# Altium PCB MotorDrive.PcbDoc
Units mil, origin at the board's own origin, x right, y up, seen from the top; angles counter-clockwise.
Board outline 3560.03 x 2932.53 mil, 2 copper layers (Top Layer, Bottom Layer); 45 components, 29 nets, 134 pads, 54 vias.
Unrouted connection lines stored in the file: 1.
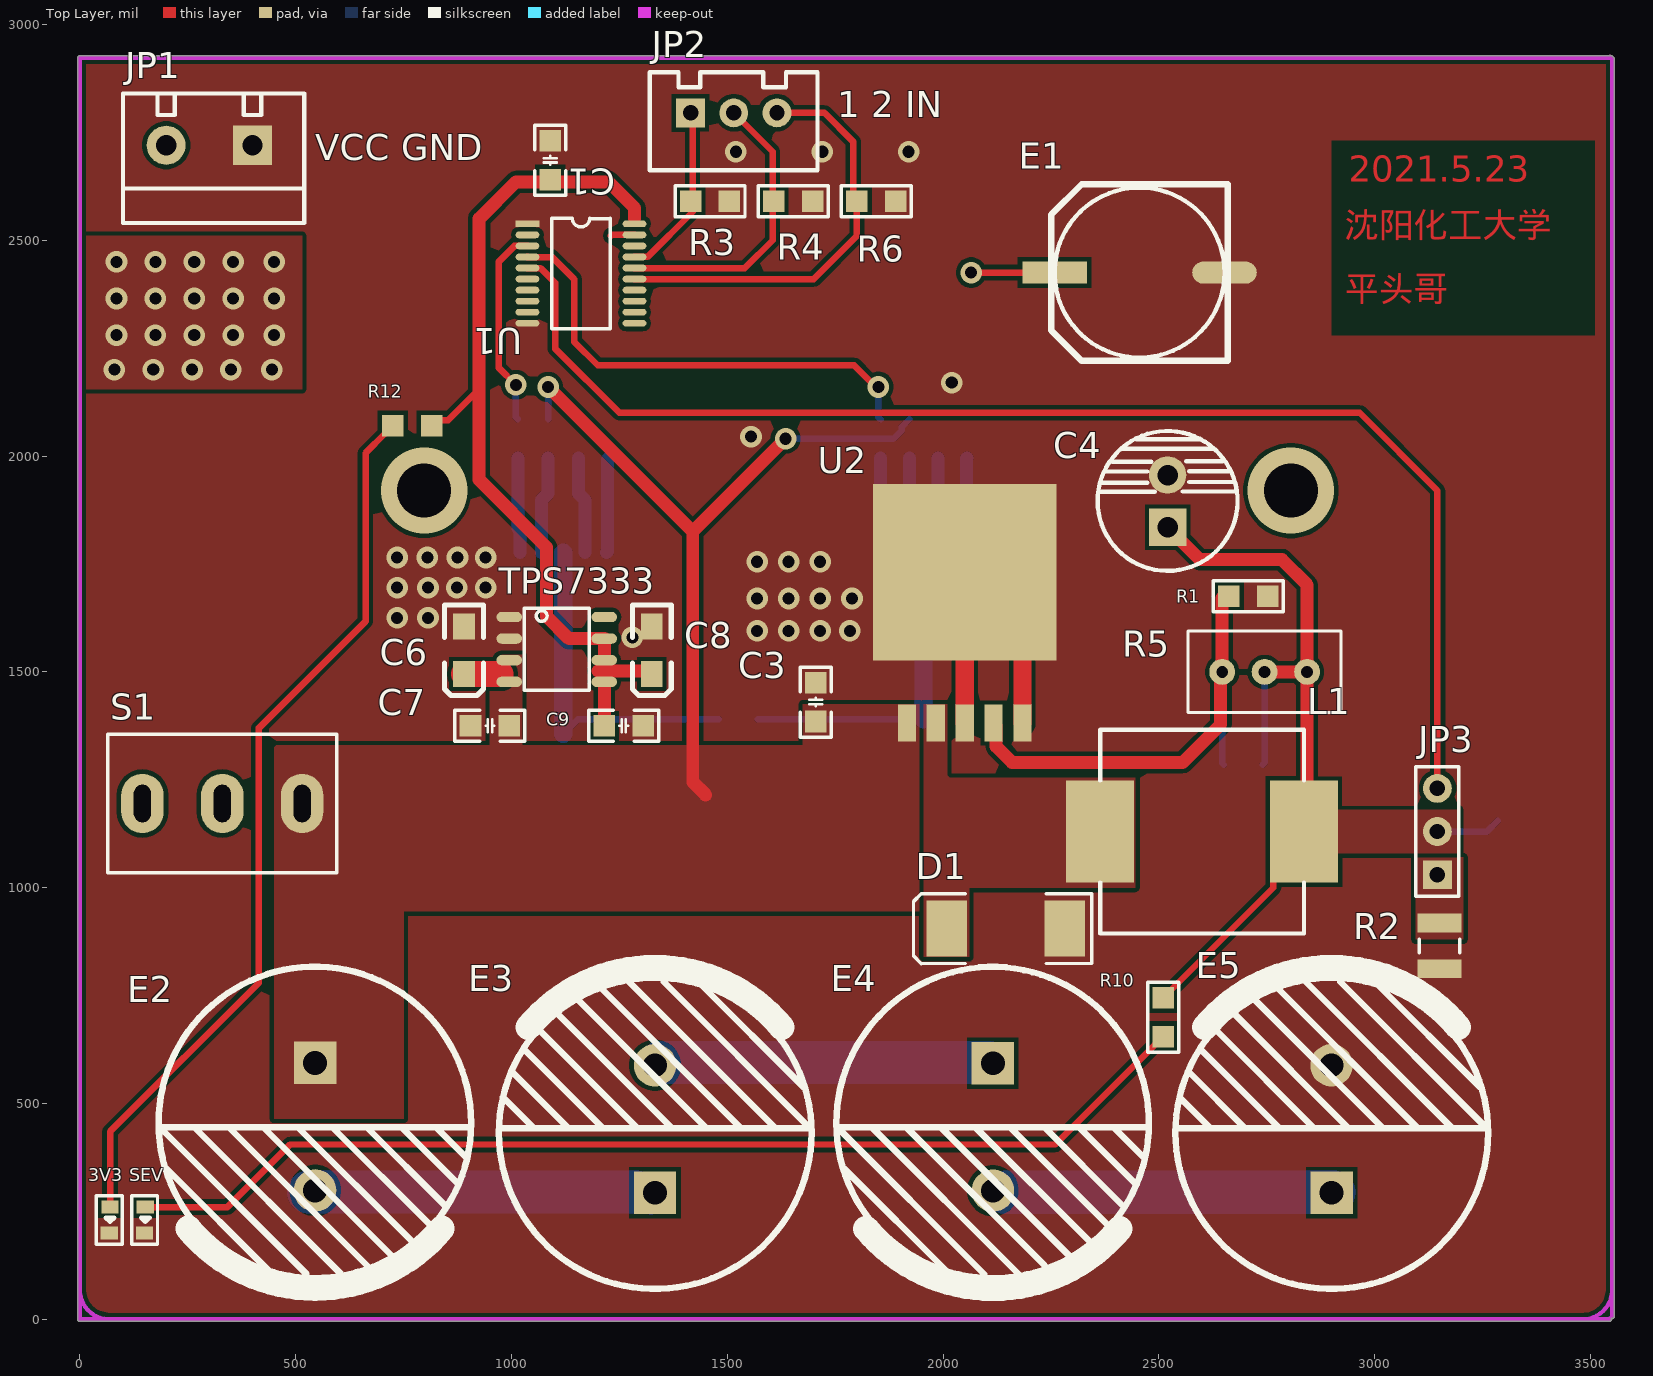
[diagram p0: Top Layer view]
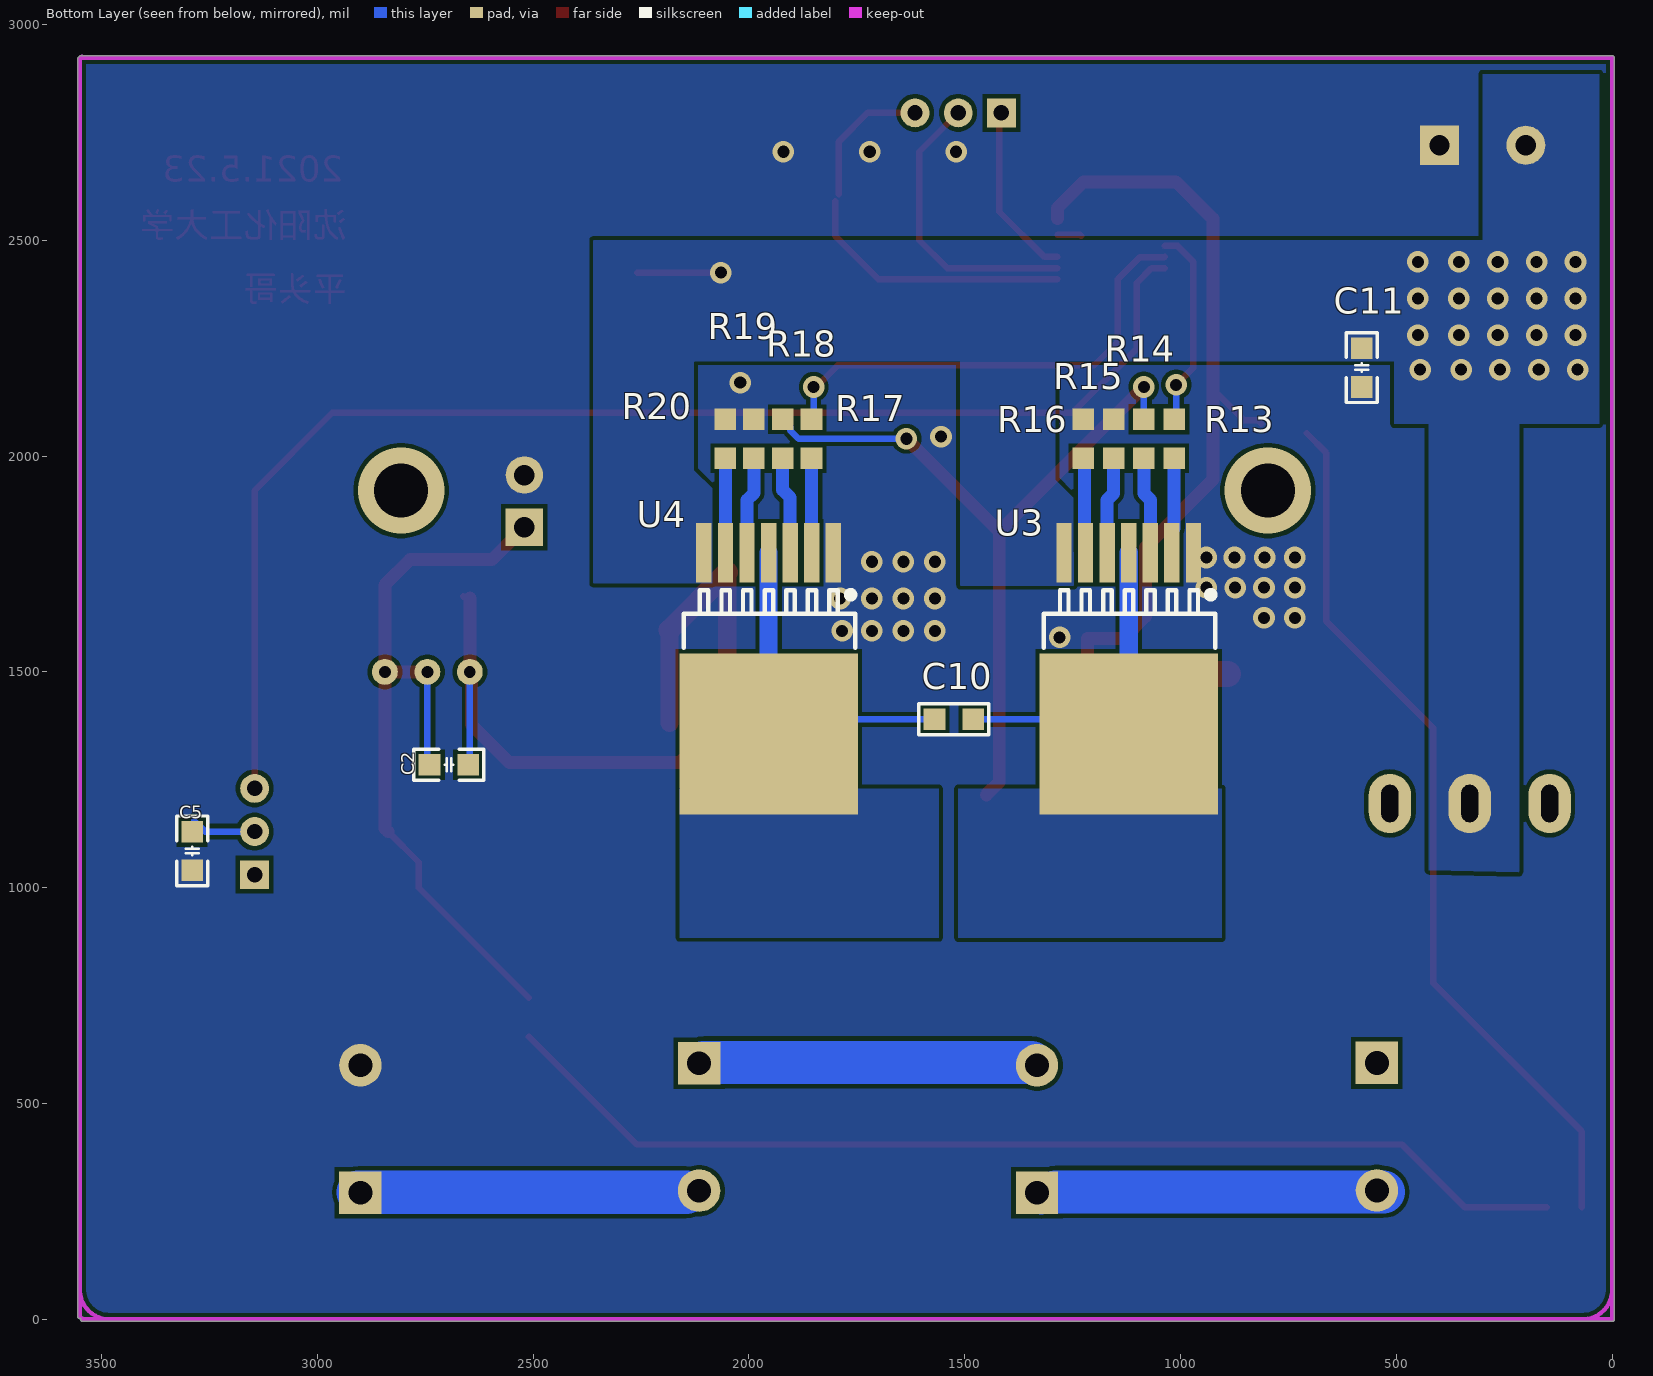
[diagram p1: Bottom Layer view, seen from below]

## Layer stack, top to bottom
Top Solder: solder mask 0.4, Solder Resist, Dk 3.5
Top Layer: signal copper 1.4
Dielectric 1: dielectric 12.6, FR-4, Dk 4.8
Bottom Layer: signal copper 1.4
Bottom Solder: solder mask 0.4, Solder Resist, Dk 3.5

## Board outline
0,-5.01 cw(c0,0) -5.01,0 -5.01,2922.5 cw(c0,2922.5) 0,2927.51 3547.5,2927.51 cw(c3547.5,2922.5) 3552.07,2924.57 cw(c3550,2920) 3555.01,2920 3555.01,6.69 cw(c3550,6.69) 3547.83,2.17 cw(c3543.31,0) 3548.32,0 cw(c3543.31,0) 3543.31,-5.01

## Design rules (kind name [scope] priority, off if disabled: settings)
Clearance [All] p1: gap=10 ignorepadtopadclearanceinfootprint=TRUE
Height [All] p1: minheight=0 maxheight=10000 prefheight=500
HoleSize [All] p1: absolutevalues=TRUE maxlimit=10000 minlimit=1 maxpercent=80.000 minpercent=20.000
MinimumSolderMaskSliver [All] p1: minsoldermaskwidth=1
PolygonConnect [All] p1: connectstyle=Relief reliefconductorwidth=10 reliefentries=4 polygonreliefangle="90 Angle" airgapwidth=10
RoutingVias [All] p1: holewidth=28 width=50 viastyle="Through Hole" minholewidth=28 minwidth=50 maxholewidth=28 maxwidth=50
SolderMaskExpansion [All] p1: expansion=4 istentingtop=FALSE
UnpouredPolygon [All] p1: allowunpoured=TRUE
Width [All] p1: maxlimit=1000 minlimit=15 preferedwidth=15 bottomlayer_maxwidth=100 minimp=50.000000 maximp=50.000000 favimp=50.000000
26 further rules are at their usual default settings.

## Components (designator, comment, footprint, x,y, rotation, side; value= is the part's Value field where it differs from the comment)
3V3 "LED0" 0603_LED 69.98,260.5 r270 top (schematic designator LED2)
C1 "100nf" "C 0805_M" 1090,2685 r270 top
C2 "电容" "C 0805_M" 2695,1285 r0 bottom value=104
C3 "电容" "C 0805_M" 1705,1430 r270 top value=104
C4 "Cap Pol1" 220UF 2520,1956 r270 top value=220uf
C5 "" "C 0805_M" 3290,1085 r90 bottom value=104
C6 "10uf" 3216 890,1550 r270 top value=10uF
C7 "104" "C 0805_M" 950,1375 r0 top
C8 "22uf" 3216 1325,1550 r270 top value=22uF
C9 "104" "C 0805_M" 1260,1375 r180 top
C10 "100nf" "R 0805_M" 1525,1390 r180 bottom
C11 "100nf" "C 0805_M" 580,2205 r90 bottom
D1 "SS34" SMC 2145,905 r180 top
E1 "1000uF/16V" "CM F(10*10.2)" 2455,2425 r180 top
E2 "10uF/6.3V" "CAP 7.5*18*35.5 - GD" 545,445 r270 top
E3 "10uF/6.3V" "CAP 7.5*18*35.5 - GD" 1332.48,442.1 r90 top
E4 "10uF/6.3V" "CAP 7.5*18*35.5 - GD" 2115.24,444.46 r270 top
E5 "10uF/6.3V" "CAP 7.5*18*35.5 - GD" 2900,442.1 r90 top
JP1 "POWER IN" KF301-5.0-2P 200,2720 r180 top
JP2 "PWM IN" XH2.54-LI-3P 1515,2795 r0 top
JP3 "SEVRO OUT" HDR2.54-LI-3P 3145,1130 r90 top
L1 "Inductor" 331 2600,1130 r0 top value=100uH
R1 "Res1" "R 0805_M" 2707.18,1675 r180 top value=1K
R2 "0" 14-1210 3150,865 r270 top
R3 "10K" "R 0805_M" 1460,2590 r0 top
R4 "10K" "R 0805_M" 1652.5,2590 r0 top
R5 "RPot" 3269W_滑动变阻器 2745,1500 r0 top value=1K
R6 "10K" "R 0805_M" 1845,2590 r0 top
R10 "RES" "R 0805_M" 2510,700 r90 top value=1K
R12 "1K" "R 0805_M" 770,2070 r0 top
R13 "10K" "R 0805_M" 1015,2040 r90 bottom
R14 "10K" "R 0805_M" 1085,2040 r90 bottom
R15 "1K" "R 0805_M" 1155,2040 r270 bottom
R16 "1K" "R 0805_M" 1225,2040 r270 bottom
R17 "10K" "R 0805_M" 1855,2040 r90 bottom
R18 "10K" "R 0805_M" 1921.67,2040 r90 bottom
R19 "1K" "R 0805_M" 1988.33,2040 r270 bottom
R20 "1K" "R 0805_M" 2055,2040 r270 bottom
S1 "POWER SWICH" MTS-10x 330,1195 r0 top
SEV "LED0" 0603_LED 151.59,260.5 r270 top (schematic designator LED1)
TPS7333 "TPS7333" SO8NB 1105,1552 r270 top
U1 "74lvc245" "74lvc245 TSSOP" 1036.97,2537.95 r0 top
U2 "LM2596" lm2587 2050,1556.13 r0 top
U3 "BTN7971B" TO-263-7_L10.2-W10.4-P1.27-LS14.4-B 1120,1566.01 r90 bottom
U4 "BTN7971B" TO-263-7_L10.2-W10.4-P1.27-LS14.4-B 1954.28,1566.01 r90 bottom

## Footprints (in the part's own frame and the unit in brackets; to place one, negate y for a bottom-side part, rotate by r counter-clockwise, add the part's x,y. Pads: shape width x height; smd on the part's side, far side on the other; paste and mask are expansions set on the pad)
14-1210 [mm]
  rect 1.1x2.6 smd: 1(-1.35,0) 2(1.35,0)
  silkscreen extent -0.4,-1.2 0.4,1.2, body extent -1.68,-1.32 1.68,1.32, height 0.9
"74lvc245 TSSOP" [mm]
  rect 1.4x0.4 smd: 1(0,0)
  oval 1.4x0.4 smd: 2(0,-0.65) 3(0,-1.3) 4(0,-1.95) 5(0,-2.6) 6(0,-3.25) 7(0,-3.9) 8(0,-4.55) 9(0,-5.2) 10(0,-5.85) 11(6.3,-5.85) 12(6.3,-5.2) 13(6.3,-4.55) 14(6.3,-3.9) 15(6.3,-3.25) 16(6.3,-2.6) 17(6.3,-1.95) 18(6.3,-1.3) 19(6.3,-0.65) 20(6.3,0)
  silkscreen extent 1.43,-6.17 4.87,0.33
220UF [mm]
  rect 2.2x2.2 hole 1.205: 1(3.073,0)
  round 2.2 hole 1.205: 2(0,0)
  silkscreen extent -2.59,-4.12 5.64,4.12
331 [mm]
  rect 4x6 smd: 1(-6,0) 2(6,0)
  silkscreen extent -6,-6 6,6, body extent -5.99,-5.99 5.99,6.15, height 2
0603_LED [mil]
  rect 30x40 smd: 1(0.5,0) 2(60.5,-1.59)
  silkscreen extent -26,-32 87,28
3216 [mil]
  rect 60x50 smd: 1(55,0) 2(-55,0)
  silkscreen extent -105,-45 105,45, body extent -63,-31 63,31, height 63
3269W_滑动变阻器 [mil]
  round 60 hole 27.56: 1(98.43,0) 2(-98.43,0) 3(0,0)
  silkscreen extent -177,-94 177,94, body extent -173,-86 165,82, height 315
"C 0805_M" [mil] "无极性贴片电容"
  rect 50x50 smd: 1(-45,0) 2(45,0)
  silkscreen extent -81,-36 81,36, body extent -39,-24 39,24, height 20
"CAP 7.5*18*35.5 - GD" [mm] "脚距7.5mm直径18mm高度35.5mm"
  rect 2.5x2.5 hole 1.4: 1(-3.78,0)
  round 2.5 hole 1.4: 2(3.72,0)
  silkscreen extent -9.44,-9.21 9.45,9.19, body extent -8.99,-8.99 9.02,9, height 35.56
"CM F(10*10.2)" [mm] "贴片电解电容，直径10mm，高10.2mm"
  rect 3.8x1.3 smd: 1(5,0)
  oval 3.8x1.3 smd: 2(-5,0)
  silkscreen extent -5.2,-5.2 5.2,5.2, body extent -5.8,-5.15 5.8,5.15, height 10.2
HDR2.54-LI-3P [mm] "排针，3脚"
  rect 1.7x1.7 hole 0.9: 1(-2.54,0)
  round 1.7 hole 0.9: 2(0,0) 3(2.54,0)
  silkscreen extent -3.81,-1.27 3.81,1.27, body extent -3.81,-1.27 3.81,1.27, height 8.5
KF301-5.0-2P [mm] "可拼接端子/6A"
  rect 2.3x2.3 hole 1.2: 1(-5.08,0)
  round 2.3 hole 1.2: 2(0,0)
  silkscreen extent -8.13,-3.05 2.54,4.57, body extent -7.95,-3 2.55,4.6, height 10.05
lm2587 [mm]
  rect 1.07x2.16 smd: 1(-3.4,-4.435) 2(-1.7,-4.435) 3(0,-4.435) 4(1.7,-4.435) 5(3.4,-4.435)
  rect 10.8x10.41 smd: 3(0,4.435)
  body extent -5.21,-2.01 5.23,8.53, height 2
MTS-10x [mm] "MTS10系列3脚扭子开关"
  oval 2.5x3.5 hole 1 slot 2.2 at 90 deg: 1(-4.7,0) 2(0,0) 3(4.7,0)
  silkscreen extent -6.73,-4.06 6.73,4.06, body extent -6.6,-3.95 6.6,3.95, height 30.47
"R 0805_M" [mil] "1/8W贴片电阻"
  rect 50x50 smd: 1(-45,0) 2(45,0)
  silkscreen extent -81,-36 81,36, body extent -39,-25 39,25, height 20
SMC [mm] "DO-214-AB/SMC; 2 C-Bend Leads; Body 7.9 x 5.9 mm, inc. leads (LxW)"
  rect 2.4x3.3 smd: 1(-3.475,0) 2(3.475,0)
  silkscreen extent -5.07,-2.05 5.43,2.05
SO8NB [mil]
  oval 24x59.06 smd: 1(-75,-110) 2(-25,-110) 3(25,-110) 4(75,-110) 5(75,110) 6(25,110) 7(-25,110) 8(-75,110)
  silkscreen extent -95,-75 95,75, body extent -97,-118 96,118, height 61
TO-263-7_L10.2-W10.4-P1.27-LS14.4-B [mil]
  rect 137.8x35.43 smd: 1(210,-150) 2(210,-100) 3(210,-50) 4(210,0) 5(210,50) 6(210,100) 7(210,150)
  rect 374.02x413.38 smd: 8(-210,0)
  silkscreen extent -10,-201 123,197, body extent -340,-210 115,210, height 55
XH2.54-LI-3P [mm] "接插件，3P"
  rect 1.7x1.7 hole 0.9: 1(-2.54,0)
  round 1.7 hole 0.9: 2(0,0) 3(2.54,0)
  silkscreen extent -4.95,-3.38 4.93,2.39, body extent -5.04,-3.3 5.04,2.4, height 7.03

## Part data
3V3 SEV: "Typical INFRARED GaAs LED", LatestRevisionDate=08-Jul-2005, LatestRevisionNote="Mech Layer 1 removed.", PackageReference=LED-0, Published=8-Jun-2000, Publisher="Altium Limited"
C1 C7 C9 C10 C11: library part C, "无极性贴片电容", BOM名称=无极性贴片电容, 学习资源=www.ooocke.com, 版权归属=源创客
C2 C3: "Capacitor", LatestRevisionDate=17-Jul-2002, LatestRevisionNote="Re-released for DXP Platform.", PackageDescription="Radial Cap, Thru-Hole; 2 Leads; 0.3 in Pin Spacing", PackageReference=RAD-0.3, Published=8-Jun-2000, Publisher="Altium Limited"
C4: "Polarized Capacitor (Radial)", LatestRevisionDate=17-Jul-2002, LatestRevisionNote="Re-released for DXP Platform.", PackageReference=RB7.6-15, Published=8-Jun-2000, Publisher="Altium Limited"
C5: library part 电容, "Capacitor", LatestRevisionDate=17-Jul-2002, LatestRevisionNote="Re-released for DXP Platform.", PackageDescription="Radial Cap, Thru-Hole; 2 Leads; 0.3 in Pin Spacing", PackageReference=RAD-0.3, Published=8-Jun-2000, Publisher="Altium Limited"
C6 C8: library part "Cap Pol1", "Polarized Capacitor (Radial)", LatestRevisionDate=17-Jul-2002, LatestRevisionNote="Re-released for DXP Platform.", PackageDescription="Polarized Capacitor (Radial); 2 Leads", PackageReference=RB7.6-15, Published=8-Jun-2000, Publisher="Altium Limited"
D1: library part "Diode 1N4148", "High Conductance Fast Diode", Code_JEDEC=DO-204-AH, ComponentLink1Description="Manufacturer Link", ComponentLink1URL=http://www.fairchildsemi.com/, ComponentLink2Description=Datasheet, ComponentLink2URL=http://www.fairchildsemi.com/ds/1N%2F1N4148.pdf, DatasheetVersion=1997, LatestRevisionDate=17-Jul-2002, LatestRevisionNote="Re-released for DXP Platform.", PackageReference=DO-35, Published=8-Jun-2000, Publisher="Altium Limited"
E1: library part C-CM, "贴片电解电容", BOM名称=贴片电解电容, 学习资源=www.ooocke.com, 版权归属=源创客
E2 E3 E4 E5: library part C-CS, "直插固态电容", BOM名称=直插固态电容, 学习资源=www.ooocke.com, 版权归属=源创客
JP1: library part "Header 2", "2P接插件", BOM名称=2P接插件, 学习资源=www.ooocke.com, 版权归属=源创客
JP2: library part Component_1
R1: "Resistor", LatestRevisionDate=17-Jul-2002, LatestRevisionNote="Re-released for DXP Platform.", PackageReference=AXIAL-0.3, Published=8-Jun-2000, Publisher="Altium Limited"
R2: library part RES_MD_2
R3 R4 R6: library part R_2, "贴片电阻", BOM名称=贴片电阻, 学习资源=www.ooocke.com, 版权归属=源创客
R5: "Potentiometer", LatestRevisionDate=17-Jul-2002, LatestRevisionNote="Re-released for DXP Platform.", PackageReference=VR5, Published=8-Jun-2000, Publisher="Altium Limited", Set Position=0.5, Sim Note="Enter the Resistance value and the set point into parameter fields."
R10: library part 电阻
R12 R13 R14 R15 R16 R17 R18 R19 R20: library part R, "贴片电阻", BOM名称=贴片电阻, 学习资源=www.ooocke.com, 版权归属=源创客
S1: library part SWICH
TPS7333: library part TPS7350
U1: "8位5伏转3.3伏电平转换芯片"
L1: Code_IEC=1005, Code_JEITA=0402, LatestRevisionDate=29-May-2009, LatestRevisionNote="IPC-7351 Footprint Added.", PackageDescription="Chip Inductor", PackageReference=0402-A, Published=8-Jun-2000, Publisher="Altium Limited"

## Via types
v1: diameter 50, hole 28, Top Layer to Bottom Layer, 52 vias
v2: diameter 200, hole 125, Top Layer to Bottom Layer, 2 vias

## Nets (pads, with @x,y where several pads share a name; then routed paths per layer and width w, separated by ;. In a path a pad name is that pad's centre, name@x,y a point inside that pad or via, vN(x,y) a via of type N, cw(c..) or ccw(c..) an arc to the next point about the centre after c; other vN are vias at no path point)
3V3: C1.2 C8.1 C9.2 R12.2 TPS7333.5 TPS7333.6 TPS7333.7 U1.20 | length 2041.5
  Top Layer w15: R12.2@812.81,2075 821.22,2083.41 853.41,2083.41 925,2155
  Top Layer w30: 1200,1502 1215,1502 ; C9.2 TPS7333.5 1215,1502 ; 1285,2550 1285,2575 1225,2635 1090,2635 1010,2635 925,2550 925,2155 925,1945 1081.33,1788.67 1081.33,1628.67 1133,1577 TPS7333.7 TPS7333.6 1215,1502 ; C8.1@1308,1502 1215,1502
GND: 3V3.2 C1.1 C3.1 C4.2 C5.1 C6.2 C7.1 C8.2 C9.1 C11.1 D1.1 E1.2 E5.2 JP1.1 R1.1 R2.2 R3.2 R4.2 R6.2 R15.1 R16.1 R19.1 R20.1 SEV.2 TPS7333.1 TPS7333.2 U1.1 U1.10 U1.19 U2.3 U2.5 U3.1 U4.1 | length 809.8
  Top Layer w15: 1230,2510 1232.36,2512.36 U1.19
  Top Layer w42: U2.3@2050,1381.52 U2.3@2050,1730.73 ; U2.5 U2.3@2183.86,1596.87
  Top Layer w50: U2.3@2050,1730.73 U2.3@2183.86,1596.87
  other v1: 1280,1580 1569.1,1595 1642.05,1595 1715,1595 1784.1,1595 735,1625 806.67,1625 1569.1,1670 1642.05,1670 1715,1670 1788.85,1670 735,1695 806.67,1695 873.33,1695 940,1695 1569.1,1755 1642.05,1755 1715,1755 735,1765 805,1765 875,1765 940,1765 1555,2045 2020,2170 1520,2705 1720,2705 1920,2705
"MOTOR A": C10.2 U3.4 U3.8 | length 794.1
  Bottom Layer w15: U3.8 1153.99,1390 C10.2
  Bottom Layer w42: U3.8 U3.4
"MOTOR B": C10.1 U4.4 U4.8 | length 770.3
  Bottom Layer w15: C10.1 U4.8@1954.28,1390
  Bottom Layer w42: U4.8@1954.28,1390 U4.4
"MOTOR VCC": C11.2 E1.1 JP1.2 S1.2 U3.7 U4.7 | length 193.1
  Top Layer w15: v1(2065,2425) E1.1
  other v1: 80,2200 170,2200 260,2200 350,2200 445,2200 85,2280 175,2280 265,2280 355,2280 450,2280 85,2365 175,2365 265,2365 355,2365 450,2365 85,2450 175,2450 265,2450 355,2450 450,2450
NetC2_1: C2.1 R1.2 R5.2 U2.4 | length 1152.9
  Top Layer w15: R1.2@2658.76,1671.57 R1.2
  Top Layer w30: U2.4 2122.99,1375.46 2122.99,1327.01 2160,1290 2555,1290 2642.75,1377.75 R5.2@2642.75,1509.38 ; R5.2 R1.2@2646.57,1671.57
  Bottom Layer w15: R5.2 2646.57,1288.43 C2.1
NetD1_2: D1.2 L1.1 U2.2
NetE2_2: E2.2 E3.1 | length 795.1
  Bottom Layer w50: E3.1@1322.48,268.28 E3.1@1347.47,293.27
  Bottom Layer w100: E2.2@530,295 E3.1@1289.77,295
NetE3_2: E3.2 E4.1 | length 759.8
  Bottom Layer w100: E3.2@1345.23,595 E4.1@2105,595
NetE4_2: E4.2 E5.1 | length 759.8
  Bottom Layer w100: E4.2@2145.24,294.46 E5.1@2905.01,294.46
NetJP3_1: JP3.1 R2.1
NetLED1_1: R10.1 SEV.1 | length 2522
  Top Layer w15: SEV.1 342.05,260 487.05,405 2260,405 R10.1
NetLED2_1: 3V3.1 R12.1 | length 2056.6
  Top Layer w15: 3V3.1 69.98,434.98 415,780 415,1370 661.86,1616.86 661.86,2006.86 R12.1@707.5,2052.5
NetR13_1: R13.1 U3.2 | length 221.1
  Bottom Layer w30: R13.1 1015,1832.19 1020,1827.19 U3.2
NetR14_1: R14.1 U3.3 | length 225.2
  Bottom Layer w30: U3.3 1070,1898.6 1085,1913.6 R14.1
NetR15_2: R15.2 U3.5 | length 225.2
  Bottom Layer w30: R15.2 1155,1913.6 1170,1898.6 U3.5
NetR16_2: R16.2 U3.6 | length 221.1
  Bottom Layer w30: U3.6 1222.5,1778.51 1222.5,1992.5 R16.2
NetR17_1: R17.1 U4.2 | length 219.3
  Bottom Layer w30: U4.2 1854.64,1776.37 1854.64,1994.64 R17.1
NetR18_1: R18.1 U4.3 | length 226.2
  Bottom Layer w30: U4.3 1904.28,1903.76 1921.67,1921.15 R18.1
NetR19_2: R19.2 U4.5 | length 225.6
  Bottom Layer w30: R19.2 1988.33,1914.07 2004.28,1898.12 U4.5
NetR20_2: R20.2 U4.6 | length 219.3
  Bottom Layer w30: U4.6 2054.64,1776.37 2054.64,1994.64 R20.2
PWM1: R13.2 U1.3 | length 465.7
  Top Layer w15: v1(1010,2165) 970,2205 970,2449.78 1006.85,2486.63 1036.82,2486.63 U1.3
  Bottom Layer w15: v1(1010,2165) 1010,2090 R13.2
"PWM1 IN": JP2.1 R3.1 U1.17 | length 409.4
  Top Layer w15: U1.17 1285.14,2461.32 1315.12,2461.32 1420,2566.2 1420,2790 JP2.1
PWM2: R17.2 U1.4 | length 1099.8
  Top Layer w15: U1.4 1037.11,2461.04 1093.96,2461.04 1145,2410 1145,2265 1200,2210 1793.71,2210 1843.71,2160 v1(1850,2160)
  Bottom Layer w15: v1(1850,2160) 1850,2090 R17.2
"PWM2 IN": JP2.2 R4.1 U1.16 | length 679
  Top Layer w15: U1.16 1420,2435.59 1540.59,2435.59 1605,2500 1605,2705 JP2.2
PWMS: JP3.3 U1.5 | length 3101
  Top Layer w15: U1.5 1037.11,2435.45 1067.09,2435.45 1101.05,2401.49 1101.05,2248.95 1250,2100 2965,2100 3145,1920 JP3.3
"PWMS IN": JP2.3 R6.1 U1.15 | length 962.7
  Top Layer w15: U1.15 1285.14,2409.86 1699.86,2409.86 1800,2510 R6.1 ; JP2.3 1725,2795 1791.29,2728.71 R6.1@1791.29,2606.29
SEVRO_POWER: C2.2 C4.1 C5.2 JP3.2 L1.2 R5.1 R5.3 R10.2 | length 1939.2
  Top Layer w15: R10.2 2764.98,999.98 2764.98,1058.76 L1.2
  Top Layer w30: C4.1 2595,1760 2785,1760 2843.43,1701.57 R5.1 ; R5.3 R5.1 ; L1.2 2843.43,1137.21 R5.1
  Bottom Layer w15: C2.2 2745,1290 R5.3 ; JP3.2 3260,1130 3285,1155
VCC: C3.2 C6.1 C7.2 E2.1 R14.2 R18.2 S1.3 TPS7333.3 TPS7333.4 U2.1 | length 1870.4
  Top Layer w30: v1(1085,2160) 1420,1825 ; 1450,1215 1420,1245 1420,1825 ; v1(1635,2040) 1420,1825
  Top Layer w60: C6.1 975,1495
  Bottom Layer w15: R14.2 v1(1085,2160) ; v1(1635,2040) 1885,2040 1904.17,2059.17 1904.17,2067.5 R18.2
pads on no net: S1.1 TPS7333.8 U1.2 U1.6 U1.7 U1.8 U1.9 U1.11 U1.12 U1.13 U1.14 U1.18
copper on no net:
  other v2: 797.72,1920 2805.59,1920

## Polygon pours and split planes (outlines as drawn)
GND on Bottom Layer "GND_L02_P020" (solid, pour order 20): 0,0 3.35,3.35 3546.65,3.35 3546.65,2908.35 3535,2920 2.5,2920 2.5,2947.5 0,2950
"MOTOR B" on Bottom Layer "MOTOR_B_L02_P019" (solid, pour order 19): 1560,1228.93 1560,884.32 2160,884.32 2160,1228.93
"MOTOR A" on Bottom Layer "MOTOR_A_L02_P018" (solid, pour order 18): 905,1228.86 905,883.93 1515,883.93 1515,1228.86
GND on Bottom Layer "GND_L02_P003" (solid, pour order 3): 990,1850 990,1585 830,1585 700,1585 700,1805 905,1805 950,1850
"MOTOR VCC" on Bottom Layer "MOTOR_VCC_L02_P015" (solid, pour order 15): 210,1035 215,1040 215,2180 405,2180 430,2155 425,2150 425,1040
"MOTOR VCC" on Bottom Layer "MOTOR_VCC_L02_P014" (solid, pour order 14): 30,2257.47 30,2075 505,2075 505,2257.47
"MOTOR VCC" on Bottom Layer "MOTOR_VCC_L02_P006" (solid, pour order 6): 30,2490 30,2885 300,2885 300,2490
"MOTOR VCC" on Bottom Layer "MOTOR_VCC_L02_P002" (solid, pour order 2): 30,2500 2360,2500 2360,1705 2085,1705 2085,1925 2127.57,1967.57 2127.57,2217.43 2125,2220 1510,2220 1510,1700 1245,1700 1245,1900 1290,1945 1290,2220 45,2220 30,2205
GND on Bottom Layer "GND_L02_P004" (solid, pour order 4): 1825.49,1845 1825.49,1560 1665,1560 1535.49,1560 1535.49,1800 1740.49,1800 1785.49,1845
GND on Top Layer "GND_L01_P016" (solid, remove dead copper, pour order 16): 0,2922.5 2.5,2920 3550,2920 3550,6.69 3543.31,0 0,0
VCC on Top Layer "VCC_L01_P000" (solid, pour order 0): 455,1330 450,1325 450,945 1945,945 1945,1425 1675,1425 1675,1330 1025,1330 1025,1540 950,1540 950,1330
"MOTOR VCC" on Top Layer "MOTOR_VCC_L01_P013" (solid, pour order 13): 15,2510 25,2510 515,2510 515,2155 15,2155
NetD1_2 on Top Layer "NETD1_2_L01_P012" (solid, pour order 12): 1955,840 1955,1070 2060,1070 2060,1055 2060,840
NetD1_2 on Top Layer "NETD1_2_L01_P007" (solid, pour order 7): 1955,1425 1955,1000 2445,1000 2445,1255 2015,1255 2010,1260 2010,1425
VCC on Top Layer "VCC_L01_P010" (solid, pour order 10): 450,989.33 450,465 730,465 750,465 750,989.33
NetJP3_1 on Top Layer "NETJP3_1_L01_P009" (solid, pour order 9): 3094.88,880 3094.88,1070 3205,1070 3205,880
SEVRO_POWER on Top Layer "SEVRO_POWER_L01_P008" (solid, pour order 8): 3195,1180 3195,1080 2860,1080 2860,1175 2855,1180

## Keep-outs
Keep-Out Layer:
  lines w10: 0,70 ccw(c68.45,68.38) 65,0 ; 3480,0 ccw(c3481.62,68.45) 3550,65 ; 3545,2925 3550,2920 3550,6.69 3543.31,0 0,0 0,2922.5 3547.5,2922.5

## Other copper
Top Layer:
  pour cut-out: 2900,2730 3510,2730 3510,2280 3505,2280 3490,2280 2900,2280
  text "2021.5.23" at 2940,2635 h60
  text "沈阳化工大学" at 2930.09,2486.71 h100
  text "平头哥" at 2930,2338.88 h100

## Silkscreen, mask and mechanical layers (free items; w line width, h text height)
Top Overlay:
  text "1 2 IN" at 1755,2785 h60
  text "VCC GND" at 545,2685 h60
Top Solder:
  rectangle: 15.29,1730 520,2144.8
  rectangle: 15,2155 515,2510
Bottom Solder:
  rectangle: 1560,877.87 1900,1228.93
  rectangle: 1175,883.93 1515,1235